# Altium PCB TB_PCB.PcbDoc (part 1 of 2) (continued)
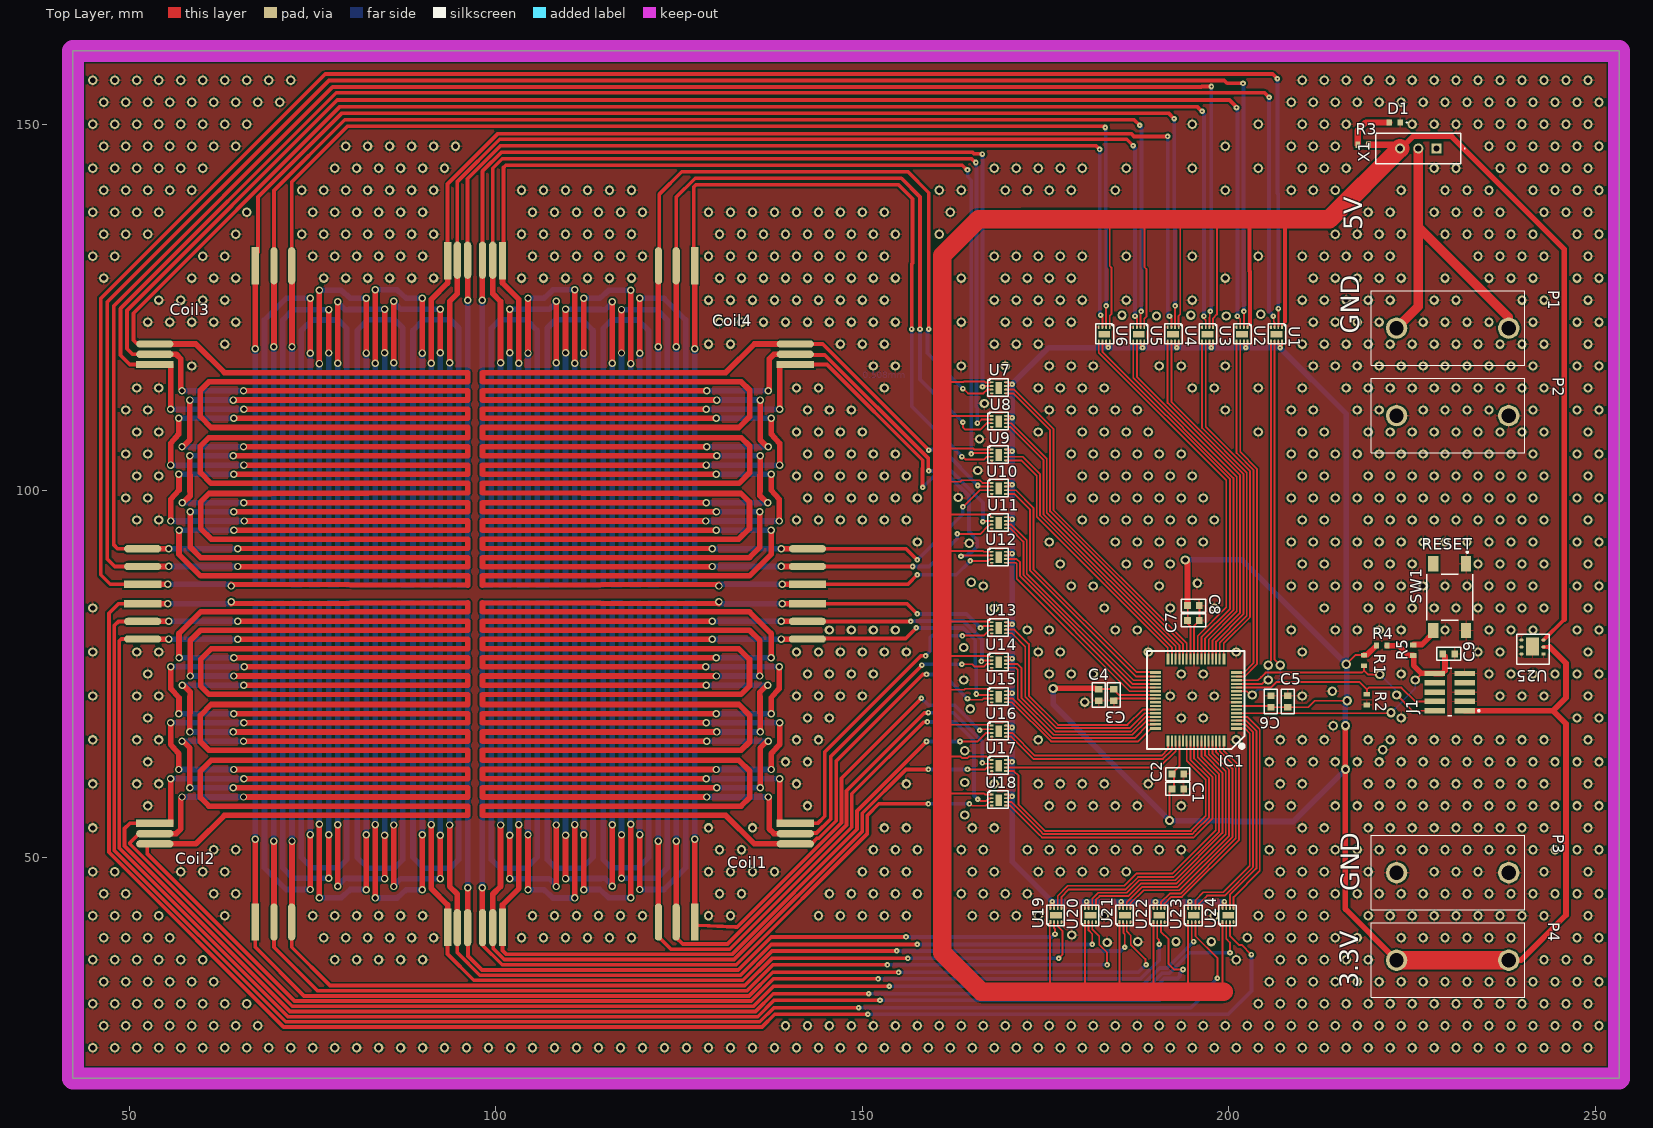
[diagram p0: Top Layer view]
## Footprints (in the part's own frame and the unit in brackets; to place one, negate y for a bottom-side part, rotate by r counter-clockwise, add the part's x,y. Pads: shape width x height; smd on the part's side, far side on the other; paste and mask are expansions set on the pad) (continued)
CAP_0603H0.8 [mm] "Chip Capacitor, Body 1.6x0.8mm, Height 0.8mm, IPC Medium Density"
  rect 0.9x1 smd: 1(-0.8,0) 2(0.8,0)
  silkscreen extent -1.65,-0.89 1.65,0.89, body extent -0.87,-0.48 0.88,0.47, height 0.8
"Delton Banana Plug 100 Black" [mm]
  round 2.91 hole 1.94: 1(-9.271,-0.127) 2(6.029,-0.127)
  silkscreen extent -12.72,-5.21 8.18,4.95, body extent -12.03,-5.15 11.27,5.35, height 12.4
"Delton Banana Plug 500 Red" [mm]
  round 2.91 hole 1.94: 1(-9.271,-0.127) 2(6.029,-0.127)
  silkscreen extent -12.72,-5.21 8.18,4.95, body extent -12.7,-5.02 10.67,5.33, height 12.4
DRV8212DSGR [mm]
  rect 0.5x0.25 smd paste+0 mask+0.025: 1(0,0)
  oval 0.5x0.25 smd mask+0.025: 2(0,-0.5) 3(0,-1) 4(0,-1.5) 5(1.9,-1.5) 6(1.9,-1) 7(1.9,-0.5) 8(1.9,0)
  rect 0.9x1.6 smd mask+0.025: EPAD(0.95,-0.762)
  silkscreen extent -0.51,-1.91 2.29,0.51, body extent -0.05,-1.74 1.95,0.26, height 0.77
FP-4-1437565-1-MFG [mm]
  rect 2.1x1.38 smd paste+0 mask+0: 1(-4.55,2.24) 2(4.55,2.24) 3(-4.55,-2.24) 4(4.55,-2.24)
  silkscreen extent -6.27,-3.15 3.15,3.15
FTSH-105-01-L-DV-K-A [mm]
  rect 0.74x2.79 smd paste+0 mask+0: 1(-2.286,-2.162) 2(-2.286,1.908) 3(-1.016,-2.162) 4(-1.016,1.908) 5(0.254,-2.162) 6(0.254,1.908) 7(1.524,-2.162) 8(1.524,1.908) 9(2.794,-2.162) 10(2.794,1.908)
  silkscreen extent -2.99,-4.24 3.49,0.14, body extent -3.09,-3.66 3.59,3.4, height 0.25
KSEELP4122P1R258A8J8020R18 [mm]
  rect 0.8x0.8 smd: 1(-0.623,0) 2(0.877,0)
  silkscreen extent -1.57,-0.05 -1.47,0.05, body extent -0.67,-0.4 0.93,0.4, height 0.36
LPC865M301JBD64 [mm]
  rect 1.5x0.4 smd mask+0.025: 1(0.098,0.119) 16(0.098,-7.501) 33(11.176,-7.501) 48(11.176,0.119)
  rect 1.5x0.28 smd mask+0.025: 2(0.098,-0.441) 3(0.098,-0.941) 4(0.098,-1.441) 5(0.098,-1.941) 6(0.098,-2.441) 7(0.098,-2.941) 8(0.098,-3.441) 9(0.098,-3.941) 10(0.098,-4.441) 11(0.098,-4.941) 12(0.098,-5.441) 13(0.098,-5.941) 14(0.098,-6.441) 15(0.098,-6.941) 34(11.176,-6.941) 35(11.176,-6.441) 36(11.176,-5.941) 37(11.176,-5.441) 38(11.176,-4.941) 39(11.176,-4.441) 40(11.176,-3.941) 41(11.176,-3.441) 42(11.176,-2.941) 43(11.176,-2.441) 44(11.176,-1.941) 45(11.176,-1.441) 46(11.176,-0.941) 47(11.176,-0.441)
  rect 0.4x1.5 smd mask+0.025: 17(1.831,-9.322) 32(9.451,-9.322) 49(9.451,1.831) 64(1.831,1.831)
  rect 0.28x1.5 smd mask+0.025: 18(2.391,-9.322) 19(2.891,-9.322) 20(3.391,-9.322) 21(3.891,-9.322) 22(4.391,-9.322) 23(4.891,-9.322) 24(5.391,-9.322) 25(5.891,-9.322) 26(6.391,-9.322) 27(6.891,-9.322) 28(7.391,-9.322) 29(7.891,-9.322) 30(8.391,-9.322) 31(8.891,-9.322) 50(8.891,1.831) 51(8.391,1.831) 52(7.891,1.831) 53(7.391,1.831) 54(6.891,1.831) 55(6.391,1.831) 56(5.891,1.831) 57(5.391,1.831) 58(4.891,1.831) 59(4.391,1.831) 60(3.891,1.831) 61(3.391,1.831) 62(2.891,1.831) 63(2.391,1.831)
  silkscreen extent -1.02,-10.41 12.32,2.92, body extent -0.36,-9.69 11.64,2.31, height 1.6
SLW-116641-5A-S-D [mm]
  rect 1.365x1.365 hole 0.84: 1(-2.54,0)
  round 1.365 hole 0.84: 2(-0.04,0) 3(2.46,0)
  silkscreen extent -6.44,-2.05 5.76,2.05, body extent -5.84,-2.05 5.76,2.05, height 11
ST1L05APU33R [mil]
  rect 22x18 smd: 1(0,40)
  oval 22x18 smd: 2(0,2.6) 3(0,-34.8) 4(118.11,-34.8) 5(118.11,2.6) 6(118.11,40)
  rect 68.9x98.43 smd: EPAD(59.06,0)
  silkscreen extent -30,-65 145,95, body extent -1,-56 121,62, height 39
T_RESC0603X30N [mm]
  rect 0.65x0.85 smd: 1(-0.725,0) 2(0.725,0)
  body extent -0.8,-0.4 0.8,0.4, height 0.5

## Part data
C1 C3 C5 C8: library part CMP-066-000039-1, "Boite Labo 0603: Ceramic Cap, 10nF, 5%, 50V, CAP_0603H0.8", DCVoltage (V)=50V, Manufacturer=Murata, ManufacturerPN=GRM1885C1H103JA01D, Designer=R.Mastrocola, Footprint Category=SM_CHIP, HelpURL=http://www.findchips.com/search/GRM1885C1H103JA01D, LatestRevisionDate=19.02.2015, Part Number=D_CAP-40, Pol=NO, Projet=Labo, Supplier1=Mouser, Supplier1PN=81-GRM1885C1H103JA1D, Supplier2=-, Supplier2PN=-, Tol (%)=5, Type=Ceramic, UnitaryCost=0
C2 C4 C6 C7: library part CMP-066-000051-1, "Boite Labo 0603: Ceramic Cap, 100nF, 10%, 50V, CAP_0603H0.8", DCVoltage (V)=50V, Manufacturer=Murata, ManufacturerPN=GCM188L81H104KA57D, Designer=R.Mastrocola, F27=Osolète, F28=GRM188L81H104KA93D, Footprint Category=SM_CHIP, HelpURL=http://www.findchips.com/search/GCM188L81H104KA57D, LatestRevisionDate=15.01.2020, Part Number=D_CAP-52, Pol=NO, Projet=Labo, Supplier1=Mouser, Supplier1PN=81-GCM188L81H104KA7D, Supplier2=-, Tol (%)=10, Type=Ceramic, UnitaryCost=0.176
C9: library part CMP-066-000063-1, "Boite Labo 0603: Ceramic Cap, 1uF, 10%, 50V, CAP_0603H0.8", DCVoltage (V)=50V, Manufacturer=Murata, ManufacturerPN=GRM188R61H105KAALD, Part Number=D_CAP-64, Designer=R.Mastrocola, Footprint Category=SM_CHIP, HelpURL=http://www.findchips.com/search/GRM188R61H105KAALD, LatestRevisionDate=19.02.2015, Pol=NO, Projet=Labo, Supplier1=Mouser, Supplier1PN=CL10A105KB8NNNC, Supplier2=Digi-Key, Supplier2PN=1276-1860-1-ND, Tol (%)=10, Type=Ceramic, UnitaryCost=0.16
D1: "Standard LEDs - SMD 0603 (1608 metric)", Manufacturer_Name="ams OSRAM", Manufacturer_Part_Number="KS EELP41.22-P1R2-58-A8J8-020-R18", Mouser Part Number=720-P412P1R258A8J802, Datasheet Link=https://www.digikey.ph/en/products/detail/ams-osram-usa-inc/KS-EELP41-22-P1R2-58-A8J8-020-R18/24765247, Geometry.Height=0.5mm, Mouser Price/Stock=https://www.mouser.co.uk/ProductDetail/ams-OSRAM/KS-EELP41.22-P1R2-58-A8J8-020-R18?qs=ZcfC38r4Povp3XTr6Zxf%252Bw%3D%3D
R1 R2: library part CMP-003-0498-1, "Resistor 10 Kohm 63mW 1% 0603", Rating=63mW, Tolerance=1%, Component Name=R-10KR-63mW-1%-0603, Source=Ixora.SchLib
R3: library part CMP-003-0154-1, "Resistor 150 ohm 63mW 1% 0603", Rating=63mW, Tolerance=1%, Component Name=R-150R-63mW-1%-0603, Source=Ixora.SchLib
R4: library part CMP-003-0419-1, "Resistor 1 Kohm 63mW 5% 0603", Rating=63mW, Tolerance=5%, Component Name=R-1KR-63mW-5%-0603, Source=Ixora.SchLib
R5: library part CMP-003-0496-1, "Resistor 100 ohm 63mW 5% 0603", Rating=63mW, Tolerance=5%, Component Name=R-100R-63mW-5%-0603, Source=Ixora.SchLib
SW1: library part CMP-03407-000003-1, "SWITCH TACTILE SPST-NO 0.05A 24V", Contact Current Rating=50mA, Contact Resistance=100mΩ, Manufacturer="TE Connectivity", Operating Force=160gf, Package=0, Temperature="-35°C to +85°C", Temperature Range High=+85°C, Temperature Range Low=-35°C, Voltage Rating Dc=24V, Automotive=No, Category=Switch, Ciiva Ids=2672442, ComponentLink2Description=Datasheet, ComponentLink2URL=https://www.te.com/commerce/DocumentDelivery/DDEController?Action=showdoc&DocId=Customer+Drawing%7F2-1437565-7%7FV%7Fpdf%7FEnglish%7FENG_CD_2-1437565-7_V.pdf%7F4-1437565-1, Device Class L1=Electromechanical, Device Class L2=Switches, Device Class L3="Tactile Switches", Digikey Description="SWITCH TACTILE SPST-NO 0.05A 24V", Electromechanical Life=100000Cycles, Height=5.38mm, Import Ts=1521848451, Lead Free=Yes, Manufacturer Part Number=4-1437565-1, Mount="Surface Mount", Mouser Description="Switch Tactile OFF (ON) SPST Round Button Gull Wing 0.05A 12VDC 1.57N SMD Loose Piece", Octopart=https://octopart.com/fsm4jsma-te+connectivity-55488004, Release Date=1503379960, RoHS=TRUE, Standoff Height=0.05mm, Throw Configuration=SPST-NO
U25: "DFN6 (3x3 mm) Input -0.3 to 7V and output 3.3V at max 1.3A"
X1: "11.6 x 6 x 4.1 mm, 5 mm Raised Slide Actuator, Through Hole, Slide Switch"

## Via types
v1: diameter 1.27, hole 0.711, Top Layer to Bottom Layer, 1242 vias
v2: diameter 1.016, hole 0.635, Top Layer to Bottom Layer, 224 vias
v3: diameter 0.762, hole 0.254, Top Layer to Bottom Layer, 120 vias

## Nets (pads, with @x,y where several pads share a name; then routed paths per layer and width w, separated by ;. In a path a pad name is that pad's centre, name@x,y a point inside that pad or via, vN(x,y) a via of type N, cw(c..) or ccw(c..) an arc to the next point about the centre after c; other vN are vias at no path point)
GND: C1.2 C2.2 C3.2 C4.2 C5.1 C6.1 C7.2 C8.2 C9.1 D1.1 IC1.8 IC1.25 IC1.40 IC1.53 J1.3 J1.5 J1.9 P2.1 P2.2 P3.1 P3.2 R2.1 SW1.1 SW1.2 U1.4 U2.4 U3.4 U4.4 U5.4 U6.4 U7.4 U8.4 U9.4 U10.4 U11.4 U12.4 U13.4 U14.4 U15.4 U16.4 U17.4 U18.4 U19.4 U20.4 U21.4 U22.4 U23.4 U24.4 U25.1 U25.4 U25.5 U25.6 U25.EPAD | length 13.8
  Top Layer w0.254: C3.2@184.15,71.336 184.45,71.636 IC1.40@189.963,71.636 ; IC1.25@195.248,77.017 195.248,81.583 195.588,81.923 195.638,81.923 195.961,82.246 C7.2@195.961,82.296 ; C7.2@195.999,82.296 C8.2@195.999,84.455 ; R2.1@218.731,70.866 R2.1@218.821,70.776
  other v1: 45,24 48,24 51,24 54,24 57,24 60,24 63,24 66,24 69,24 72,24 75,24 78,24 81,24 84,24 87,24 90,24 93,24 96,24 99,24 102,24 105,24 108,24 111,24 114,24 117,24 120,24 123,24 126,24 129,24 132,24 135,24 138,24 141,24 144,24 147,24 150,24 153,24 156,24 159,24 162,24 165,24 168,24 171,24 174,24 177,24 180,24 183,24 186,24 189,24 192,24 195,24 198,24 201,24 204,24 207,24 210,24 213,24 216,24 219,24 222,24 225,24 228,24 231,24 234,24 237,24 240,24 243,24 246,24 249,24 46.5,27 49.5,27 52.5,27 55.5,27 58.5,27 61.5,27 64.5,27 67.5,27 139.5,27 142.5,27 145.5,27 148.5,27 151.5,27 154.5,27 157.5,27 160.5,27 163.5,27 166.5,27 169.5,27 172.5,27 175.5,27 178.5,27 181.5,27 184.5,27 187.5,27 190.5,27 193.5,27 196.5,27 199.5,27 202.5,27 205.5,27 208.5,27 211.5,27 214.5,27 217.5,27 220.5,27 223.5,27 226.5,27 229.5,27 232.5,27 235.5,27 238.5,27 241.5,27 244.5,27 247.5,27 250.5,27 45,30 48,30 51,30 54,30 57,30 60,30 63,30 66,30 204,30 207,30 210,30 213,30 216,30 219,30 222,30 225,30 228,30 231,30 234,30 237,30 240,30 243,30 246,30 249,30 46.5,33 49.5,33 52.5,33 55.5,33 58.5,33 61.5,33 205.5,33 208.5,33 211.5,33 214.5,33 217.5,33 220.5,33 223.5,33 226.5,33 229.5,33 232.5,33 235.5,33 238.5,33 241.5,33 244.5,33 247.5,33 250.5,33 45,36 48,36 51,36 54,36 57,36 60,36 78,36 81,36 84,36 87,36 90,36 201,36 207,36 210,36 213,36 216,36 219,36 243,36 246,36 249,36 183.388,38.354 187.579,38.481 46.5,39 49.5,39 52.5,39 55.5,39 76.5,39 79.5,39 82.5,39 85.5,39 88.5,39 91.5,39 103.5,39 106.5,39 109.5,39 112.5,39 115.5,39 118.5,39 202.5,39 205.5,39 208.5,39 211.5,39 214.5,39 217.5,39 223.5,39 226.5,39 229.5,39 232.5,39 235.5,39 238.5,39 247.5,39 250.5,39 178.562,39.37 45,42 48,42 51,42 54,42 63,42 75,42 78,42 81,42 84,42 87,42 90,42 105,42 108,42 111,42 114,42 117,42 120,42 129,42 132,42 144,42 147,42 150,42 153,42 156,42 165,42 168,42 171,42 174,42 183,42 198,42 204,42 207,42 210,42 213,42 219,42 222,42 225,42 228,42 231,42 234,42 237,42 240,42 243,42 249,42 46.5,45 49.5,45 61.5,45 64.5,45 130.5,45 133.5,45 145.5,45 148.5,45 151.5,45 154.5,45 157.5,45 163.5,45 166.5,45 169.5,45 172.5,45 205.5,45 208.5,45 211.5,45 214.5,45 217.5,45 220.5,45 223.5,45 226.5,45 229.5,45 232.5,45 235.5,45 238.5,45 241.5,45 244.5,45 247.5,45 250.5,45 45,48 48,48 57,48 60,48 63,48 129,48 132,48 135,48 138,48 150,48 153,48 156,48 165,48 168,48 174,48 177,48 180,48 183,48 186,48 207,48 210,48 213,48 219,48 228,48 231,48 234,48 243,48 249,48 61.5,51 64.5,51 130.5,51 133.5,51 151.5,51 154.5,51 157.5,51 163.5,51 166.5,51 172.5,51 175.5,51 178.5,51 181.5,51 184.5,51 187.5,51 190.5,51 193.5,51 205.5,51 208.5,51 211.5,51 214.5,51 217.5,51 220.5,51 223.5,51 226.5,51 229.5,51 232.5,51 235.5,51 238.5,51 241.5,51 244.5,51 247.5,51 250.5,51 45,54 129,54 135,54 153,54 156,54 165,54 168,54 210,54 213,54 219,54 222,54 225,54 228,54 231,54 234,54 237,54 240,54 243,54 249,54 52.5,57 142.5,57 175.5,57 178.5,57 181.5,57 184.5,57 187.5,57 193.5,57 205.5,57 208.5,57 214.5,57 217.5,57 220.5,57 223.5,57 226.5,57 229.5,57 232.5,57 235.5,57 238.5,57 241.5,57 244.5,57 247.5,57 250.5,57 45,60 51,60 54,60 141,60 156,60 168,60 174,60 177,60 180,60 183,60 189,60 207,60 210,60 219,60 222,60 225,60 228,60 231,60 234,60 237,60 240,60 243,60 249,60 52.5,63 139.5,63 142.5,63 205.5,63 208.5,63 211.5,63 214.5,63 217.5,63 220.5,63 223.5,63 226.5,63 229.5,63 232.5,63 235.5,63 238.5,63 241.5,63 244.5,63 247.5,63 250.5,63 163.957,64.516 220.98,64.643 45,66 51,66 54,66 141,66 144,66 174,66 201,66 207,66 210,66 213,66 219,66 222,66 225,66 228,66 231,66 234,66 237,66 240,66 243,66 249,66 214.249,67.945 52.5,69 142.5,69 145.5,69 193.5,69 196.5,69 223.5,69 247.5,69 250.5,69 180.333,71.153 45,72 51,72 54,72 141,72 144,72 147,72 150,72 192,72 195,72 198,72 210,72 237,72 240,72 243,72 249,72 214.122,72.644 163.83,74.168 52.5,75 142.5,75 145.5,75 148.5,75 151.5,75 175.5,75 178.5,75 181.5,75 193.5,75 196.5,75 223.5,75 235.5,75 238.5,75 241.5,75 244.5,75 247.5,75 250.5,75 45,78 51,78 54,78 141,78 144,78 147,78 150,78 153,78 156,78 174,78 177,78 189,78 201,78 210,78 234,78 237,78 249,78 145.5,81 148.5,81 151.5,81 154.5,81 172.5,81 175.5,81 184.5,81 187.5,81 208.5,81 214.5,81 217.5,81 220.5,81 223.5,81 229.5,81 235.5,81 238.5,81 241.5,81 247.5,81 250.5,81 45,84 168,84 183,84 192,84 198,84 213,84 219,84 222,84 225,84 228,84 231,84 234,84 237,84 240,84 243,84 249,84 166.5,87 178.5,87 181.5,87 190.5,87 208.5,87 211.5,87 214.5,87 217.5,87 220.5,87 223.5,87 226.5,87 229.5,87 232.5,87 235.5,87 238.5,87 241.5,87 247.5,87 250.5,87 195.707,87.376 177,90 186,90 189,90 192,90 210,90 213,90 219,90 222,90 225,90 234,90 237,90 240,90 243,90 249,90 164.592,92.837 157.5,93 175.5,93 184.5,93 187.5,93 190.5,93 193.5,93 196.5,93 208.5,93 211.5,93 214.5,93 217.5,93 220.5,93 223.5,93 226.5,93 229.5,93 232.5,93 235.5,93 238.5,93 241.5,93 247.5,93 250.5,93 51,96 54,96 141,96 144,96 147,96 150,96 153,96 156,96 180,96 183,96 186,96 189,96 192,96 195,96 198,96 210,96 213,96 219,96 222,96 225,96 228,96 231,96 234,96 237,96 240,96 243,96 249,96 49.5,99 52.5,99 142.5,99 145.5,99 148.5,99 151.5,99 154.5,99 157.5,99 178.5,99 181.5,99 184.5,99 187.5,99 190.5,99 193.5,99 196.5,99 208.5,99 211.5,99 214.5,99 217.5,99 220.5,99 223.5,99 226.5,99 229.5,99 232.5,99 235.5,99 238.5,99 241.5,99 247.5,99 250.5,99 163.068,99.06 51,102 54,102 141,102 144,102 147,102 150,102 153,102 156,102 180,102 183,102 186,102 189,102 192,102 195,102 210,102 213,102 219,102 222,102 225,102 228,102 231,102 234,102 237,102 240,102 243,102 249,102 165.735,102.743 49.5,105 52.5,105 142.5,105 145.5,105 148.5,105 151.5,105 154.5,105 178.5,105 181.5,105 184.5,105 187.5,105 190.5,105 193.5,105 208.5,105 211.5,105 214.5,105 217.5,105 220.5,105 223.5,105 226.5,105 229.5,105 232.5,105 235.5,105 238.5,105 241.5,105 247.5,105 250.5,105 165.989,107.061 51,108 54,108 141,108 144,108 147,108 150,108 174,108 180,108 183,108 186,108 189,108 204,108 210,108 213,108 219,108 222,108 225,108 228,108 231,108 234,108 237,108 240,108 243,108 249,108 49.5,111 52.5,111 142.5,111 145.5,111 148.5,111 175.5,111 178.5,111 181.5,111 184.5,111 187.5,111 199.5,111 208.5,111 211.5,111 217.5,111 220.5,111 226.5,111 229.5,111 232.5,111 235.5,111 241.5,111 247.5,111 250.5,111 166.643,111.887 51,114 54,114 141,114 144,114 153,114 174,114 177,114 180,114 183,114 195,114 198,114 204,114 210,114 216,114 219,114 222,114 225,114 228,114 231,114 234,114 237,114 240,114 243,114 249,114 58.5,117 151.5,117 154.5,117 163.5,117 169.5,117 175.5,117 178.5,117 181.5,117 190.5,117 193.5,117 199.5,117 211.5,117 214.5,117 217.5,117 220.5,117 223.5,117 226.5,117 229.5,117 232.5,117 235.5,117 238.5,117 241.5,117 247.5,117 250.5,117 63,120 129,120 132,120 147,120 150,120 153,120 168,120 171,120 174,120 210,120 213,120 216,120 219,120 222,120 225,120 228,120 231,120 234,120 237,120 240,120 243,120 249,120 52.5,123 55.5,123 58.5,123 61.5,123 64.5,123 130.5,123 133.5,123 136.5,123 139.5,123 142.5,123 145.5,123 148.5,123 151.5,123 154.5,123 163.5,123 169.5,123 172.5,123 175.5,123 178.5,123 211.5,123 214.5,123 217.5,123 220.5,123 226.5,123 229.5,123 232.5,123 235.5,123 241.5,123 247.5,123 250.5,123 54,126 57,126 60,126 63,126 129,126 132,126 135,126 138,126 141,126 144,126 147,126 150,126 153,126 168,126 171,126 174,126 177,126 180,126 186,126 195,126 210,126 213,126 216,126 219,126 222,126 228,126 231,126 240,126 243,126 249,126 46.5,129 58.5,129 61.5,129 64.5,129 76.5,129 79.5,129 82.5,129 85.5,129 88.5,129 91.5,129 103.5,129 106.5,129 109.5,129 112.5,129 115.5,129 118.5,129 130.5,129 133.5,129 136.5,129 139.5,129 142.5,129 145.5,129 148.5,129 151.5,129 154.5,129 163.5,129 169.5,129 172.5,129 175.5,129 178.5,129 199.5,129 211.5,129 214.5,129 217.5,129 220.5,129 223.5,129 229.5,129 235.5,129 238.5,129 241.5,129 247.5,129 250.5,129 45,132 48,132 60,132 63,132 75,132 78,132 81,132 84,132 87,132 90,132 105,132 108,132 111,132 114,132 117,132 120,132 129,132 132,132 135,132 138,132 141,132 144,132 147,132 150,132 153,132 168,132 171,132 174,132 177,132 180,132 186,132 195,132 204,132 210,132 213,132 216,132 219,132 222,132 234,132 237,132 240,132 243,132 249,132 46.5,135 49.5,135 52.5,135 64.5,135 73.5,135 76.5,135 79.5,135 82.5,135 85.5,135 88.5,135 91.5,135 103.5,135 106.5,135 109.5,135 112.5,135 115.5,135 118.5,135 130.5,135 133.5,135 136.5,135 139.5,135 142.5,135 145.5,135 148.5,135 151.5,135 154.5,135 160.5,135 214.5,135 217.5,135 220.5,135 223.5,135 229.5,135 232.5,135 235.5,135 238.5,135 241.5,135 247.5,135 250.5,135 45,138 48,138 51,138 54,138 66,138 75,138 78,138 81,138 84,138 87,138 90,138 105,138 108,138 111,138 114,138 117,138 120,138 129,138 132,138 135,138 138,138 141,138 144,138 147,138 150,138 153,138 162,138 219,138 222,138 228,138 231,138 234,138 237,138 243,138 246,138 249,138 46.5,141 49.5,141 52.5,141 55.5,141 58.5,141 73.5,141 76.5,141 79.5,141 82.5,141 85.5,141 88.5,141 91.5,141 103.5,141 106.5,141 109.5,141 112.5,141 115.5,141 118.5,141 160.5,141 163.5,141 169.5,141 172.5,141 175.5,141 178.5,141 184.5,141 199.5,141 208.5,141 211.5,141 214.5,141 223.5,141 229.5,141 232.5,141 235.5,141 241.5,141 244.5,141 247.5,141 250.5,141 45,144 48,144 51,144 54,144 57,144 60,144 78,144 81,144 84,144 87,144 90,144 93,144 168,144 171,144 174,144 177,144 180,144 186,144 195,144 204,144 210,144 213,144 216,144 228,144 231,144 237,144 240,144 243,144 246,144 249,144 46.5,147 49.5,147 52.5,147 55.5,147 58.5,147 61.5,147 64.5,147 79.5,147 82.5,147 85.5,147 88.5,147 91.5,147 94.5,147 199.5,147 208.5,147 211.5,147 214.5,147 235.5,147 238.5,147 241.5,147 244.5,147 247.5,147 250.5,147 45,150 48,150 51,150 54,150 57,150 60,150 63,150 66,150 195,150 204,150 210,150 213,150 216,150 225,150 228,150 231,150 234,150 237,150 240,150 243,150 246,150 249,150 46.5,153 49.5,153 52.5,153 55.5,153 58.5,153 61.5,153 64.5,153 67.5,153 70.5,153 208.5,153 211.5,153 214.5,153 217.5,153 220.5,153 223.5,153 226.5,153 229.5,153 232.5,153 235.5,153 238.5,153 241.5,153 244.5,153 247.5,153 250.5,153 45,156 48,156 51,156 54,156 57,156 60,156 63,156 66,156 69,156 72,156 210,156 213,156 216,156 219,156 222,156 225,156 228,156 231,156 234,156 237,156 240,156 243,156 246,156 249,156
NetC9_2: C9.2 IC1.5 J1.10 R4.1 R5.2 | length 41
  Top Layer w0.254: IC1.5@201.041,69.636 222.036,69.636 v1(222.123,69.723) ; v1(225.425,74.168) 226.314,75.057
  Top Layer w0.762: R4.1@221.578,78.867 223.158,78.867 224.462,77.563 225.127,77.563 225.171,77.519 R5.2@225.171,77.507 225.215,77.463 225.215,76.156 226.303,75.068 228.075,75.068 J1.10@228.086,75.057 229.089,75.057 229.489,75.457 229.489,77.382 229.197,77.674 C9.2@229.197,77.724
  Bottom Layer w0.254: v1(222.123,69.723) 225.425,73.025 v1(225.425,74.168)
NetCoil1_A1-1: Coil1.A1-1 U13.2 | length 26.7
  Top Layer w0.254: Coil1.A1-1@142.494,84.582 Coil1.A1-1@142.621,84.709 ; v3(166.116,81.28) 166.253,81.28 166.515,81.542 U13.2@167.517,81.542
  Top Layer w0.508: Coil1.A1-1@142.494,84.582 156.083,84.582 v3(157.48,83.185)
  Bottom Layer w0.508: v3(157.48,83.185) 164.211,83.185 v3(166.116,81.28)
NetCoil1_A1-2: Coil1.A1-2 U13.3 | length 43.2
  Top Layer w0.254: v3(163.635,80.196) 163.703,80.264 166.598,80.264 167.328,80.994 167.35,80.994 167.396,81.04 167.638,81.04 U13.3@167.64,81.042
  Top Layer w0.508: Coil1.A1-2@141.7,54.61 143.891,54.61 144.878,55.597 144.878,64.36 157.988,77.47 v3(158.623,77.47)
  Bottom Layer w0.508: v3(158.623,77.47) 159.258,78.105 159.258,79.966 159.556,80.264 161.527,80.264 161.595,80.196 v3(163.635,80.196)
  other v2: 128.686,60.713 138.699,60.713 130.083,61.963 137.576,61.963 128.686,68.333 138.699,68.333 130.083,69.583 137.576,69.583 128.651,75.966 138.664,75.966 130.048,77.216 137.541,77.216 139.065,84.582 130.429,84.836
NetCoil1_A2-1: Coil1.A2-1 U14.2 | length 28.3
  Top Layer w0.254: v3(166.243,76.708) 166.38,76.708 166.515,76.843 U14.2@167.517,76.843
  Top Layer w0.508: Coil1.A2-1@143.439,82.169 v3(156.591,82.169)
  Bottom Layer w0.508: v3(156.591,82.169) 156.645,82.223 163.791,82.223 166.316,79.698 166.316,76.961 166.292,76.936 166.292,76.757 v3(166.243,76.708)
NetCoil1_A2-2: Coil1.A2-2 U14.3 | length 40.8
  Top Layer w0.254: v3(163.576,76.327) 164.974,76.327 165.301,76 166.561,76 166.904,76.343 U14.3@167.64,76.343
  Top Layer w0.508: Coil1.A2-2@141.732,53.213 141.805,53.286 143.739,53.286 145.669,55.216 145.669,63.754 v3(158.115,76.2)
  Bottom Layer w0.508: v3(158.115,76.2) 158.242,76.327 v3(163.576,76.327)
  other v2: 128.746,58.213 137.135,58.213 130.123,59.463 136.052,59.463 128.746,65.833 137.135,65.833 130.123,67.083 136.052,67.083 128.711,73.466 137.1,73.466 130.088,74.716 136.017,74.716 129.54,82.17 138.938,82.169
NetCoil1_A3-1: Coil1.A3-1 U15.2 | length 33.8
  Top Layer w0.254: Coil1.A3-1@142.494,79.756 Coil1.A3-1@142.572,79.834 ; v3(165.55,72.263) 165.677,72.136 U15.2@167.64,72.136
  Top Layer w0.508: Coil1.A3-1@142.572,79.834 142.578,79.829 144.765,79.829 144.771,79.834 155.907,79.834 v3(157.353,81.28)
  Bottom Layer w0.508: v3(157.353,81.28) 163.732,81.28 165.408,79.604 165.408,76.005 165.55,75.863 v3(165.55,72.263)
NetCoil1_A3-2: Coil1.A3-2 U15.3 | length 41.7
  Top Layer w0.254: v3(164.338,71.628) 164.407,71.628 164.559,71.476 166.372,71.476 166.532,71.636 U15.3@167.64,71.636
  Top Layer w0.508: Coil1.A3-2@141.732,51.816 143.042,51.816 143.803,52.578 144.033,52.578 146.431,54.976 146.431,63.119 158.242,74.93 v3(158.75,74.93)
  Bottom Layer w0.508: v3(158.75,74.93) 161.036,74.93 v3(164.338,71.628)
  other v2: 129.54,79.755 138.938,79.756
NetCoil1_B1-1: Coil1.B1-1 U16.2 | length 59.3
  Top Layer w0.254: Coil1.B1-1@127,41.021 Coil1.B1-1@127.127,41.148 ; v3(165.989,67.31) 166.058,67.31 166.193,67.445 U16.2@167.64,67.445
  Top Layer w0.508: Coil1.B1-1@127.127,41.148 127.525,40.711 132.702,40.468 132.924,40.468 147.139,54.683 147.139,60.764 v3(158.059,71.684)
  Bottom Layer w0.508: v3(158.059,71.684) 159.004,70.739 162.56,70.739 v3(165.989,67.31)
NetCoil1_B1-2: Coil1.B1-2 U16.3 | length 84.1
  Top Layer w0.254: v3(163.322,65.786) 165.735,65.786 166.894,66.945 U16.3@167.64,66.945
  Top Layer w0.508: Coil1.B1-2@100.901,40.45 100.901,37.274 101.438,36.738 132.198,36.738 149.263,53.803 149.263,56.299 v3(158.75,65.786)
  Bottom Layer w0.508: v3(158.75,65.786) v3(163.322,65.786)
  other v2: 110.751,44.435 118.384,44.47 104.381,45.558 112.001,45.558 119.634,45.593 127.127,52.451 104.381,53.051 112.001,53.051 119.634,53.086 103.131,54.448 110.751,54.448 118.384,54.483
NetCoil1_B2-1: Coil1.B2-1 U17.2 | length 65.9
  Top Layer w0.254: v3(166.37,62.865) 166.439,62.865 166.558,62.746 U17.2@167.64,62.746
  Top Layer w0.508: Coil1.B2-1@124.587,41.148 124.587,39.052 125.485,38.154 131.611,38.154 147.847,54.39 147.847,59.074 158.45,69.677 158.958,69.677 v3(159.004,69.723)
  Bottom Layer w0.508: v3(159.004,69.723) 162.395,69.723 166.37,65.748 v3(166.37,62.865)
NetCoil1_B2-2: Coil1.B2-2 U17.3 | length 83.8
  Top Layer w0.254: v3(164.338,61.976) 166.769,61.976 167.039,62.246 U17.3@167.64,62.246
  Top Layer w0.508: Coil1.B2-2@99.568,40.386 99.641,40.313 99.641,37.534 101.145,36.03 132.491,36.03 149.971,53.51 149.971,56.006 155.941,61.976 v3(159.004,61.976)
  Bottom Layer w0.508: v3(159.004,61.976) v3(164.338,61.976)
  other v2: 108.251,45.999 115.884,46.034 101.881,47.082 109.501,47.082 117.134,47.117 124.627,52.197 101.881,53.011 109.501,53.011 117.134,53.046 100.631,54.388 108.251,54.388 115.884,54.423
NetCoil1_B3-1: Coil1.B3-1 U18.2 | length 72.7
  Top Layer w0.254: v3(165.735,57.912) 165.872,57.912 166.126,57.658 166.845,57.658 167.188,58.001 167.473,58.001 167.519,58.047 U18.2@167.64,58.047
  Top Layer w0.508: Coil1.B3-1@122.127,41.148 122.363,40.912 122.363,38.975 123.892,37.446 131.905,37.446 148.555,54.096 148.555,58.639 158.323,68.407 158.831,68.407 v3(158.877,68.453)
  Bottom Layer w0.508: v3(158.877,68.453) 162.664,68.453 165.227,65.89 165.227,58.42 v3(165.735,57.912)
NetCoil1_B3-2: Coil1.B3-2 U18.3 | length 85.6
  Top Layer w0.254: Coil1.B3-2@98.131,40.426 Coil1.B3-2@98.171,40.386 ; v3(164.592,57.277) 164.729,57.277 164.983,57.023 166.852,57.023 167.328,57.499 167.471,57.499 167.519,57.547 U18.3@167.64,57.547
  Top Layer w0.508: Coil1.B3-2@98.044,42.027 98.044,40.426 98.244,40.226 98.244,37.93 100.851,35.322 132.784,35.322 150.679,53.217 150.679,55.712 152.244,57.277 v3(159.004,57.277)
  Bottom Layer w0.508: v3(159.004,57.277) v3(164.592,57.277)
  other v2: 98.131,45.847 122.127,52.197
NetCoil2_A1-1: Coil2.A1-1 U24.3 | length 216.4
  Top Layer w0.254: U24.3@200.136,41.148 200.136,39.249 201.361,38.025 201.751,38.025 v3(203.073,36.703)
  Top Layer w0.508: Coil2.A1-1@51.816,84.582 48.514,84.582 47.206,83.274 47.206,50.658 71.038,26.826 136.303,26.826 138.052,28.575 v3(150.749,28.575)
  Bottom Layer w0.508: v3(150.749,28.575) 199.898,28.575 203.073,31.75 v3(203.073,36.703)
NetCoil2_A1-2: Coil2.A1-2 U24.2 | length 173.8
  Top Layer w0.254: U24.2@199.636,41.148 199.636,38.87 200.152,38.354 v3(200.152,36.957)
  Top Layer w0.508: Coil2.A1-2@52.61,54.61 50.038,54.61 49.33,53.902 49.33,51.537 71.917,28.95 135.424,28.95 137.843,31.369 v3(150.876,31.369)
  Bottom Layer w0.508: v3(150.876,31.369) 188.087,31.369 190.881,34.163 191.882,34.163 194.676,36.957 v3(200.152,36.957)
  other v2: 55.611,60.713 65.624,60.713 56.734,61.963 64.227,61.963 55.611,68.333 65.624,68.333 56.734,69.583 64.227,69.583 55.646,75.966 65.659,75.966 56.769,77.216 64.262,77.216 55.245,84.582 63.881,84.836